# Altium PCB PCB_wordclocksmall_2022-11-05.pcbdoc (part 1 of 5)
Units mm, origin at the board's own origin, x right, y up, seen from the top; angles counter-clockwise.
Board outline 235.71 x 238.24 mm, 2 copper layers (Top Layer, Bottom Layer); 312 components, 226 nets, 1026 pads, 204 vias.
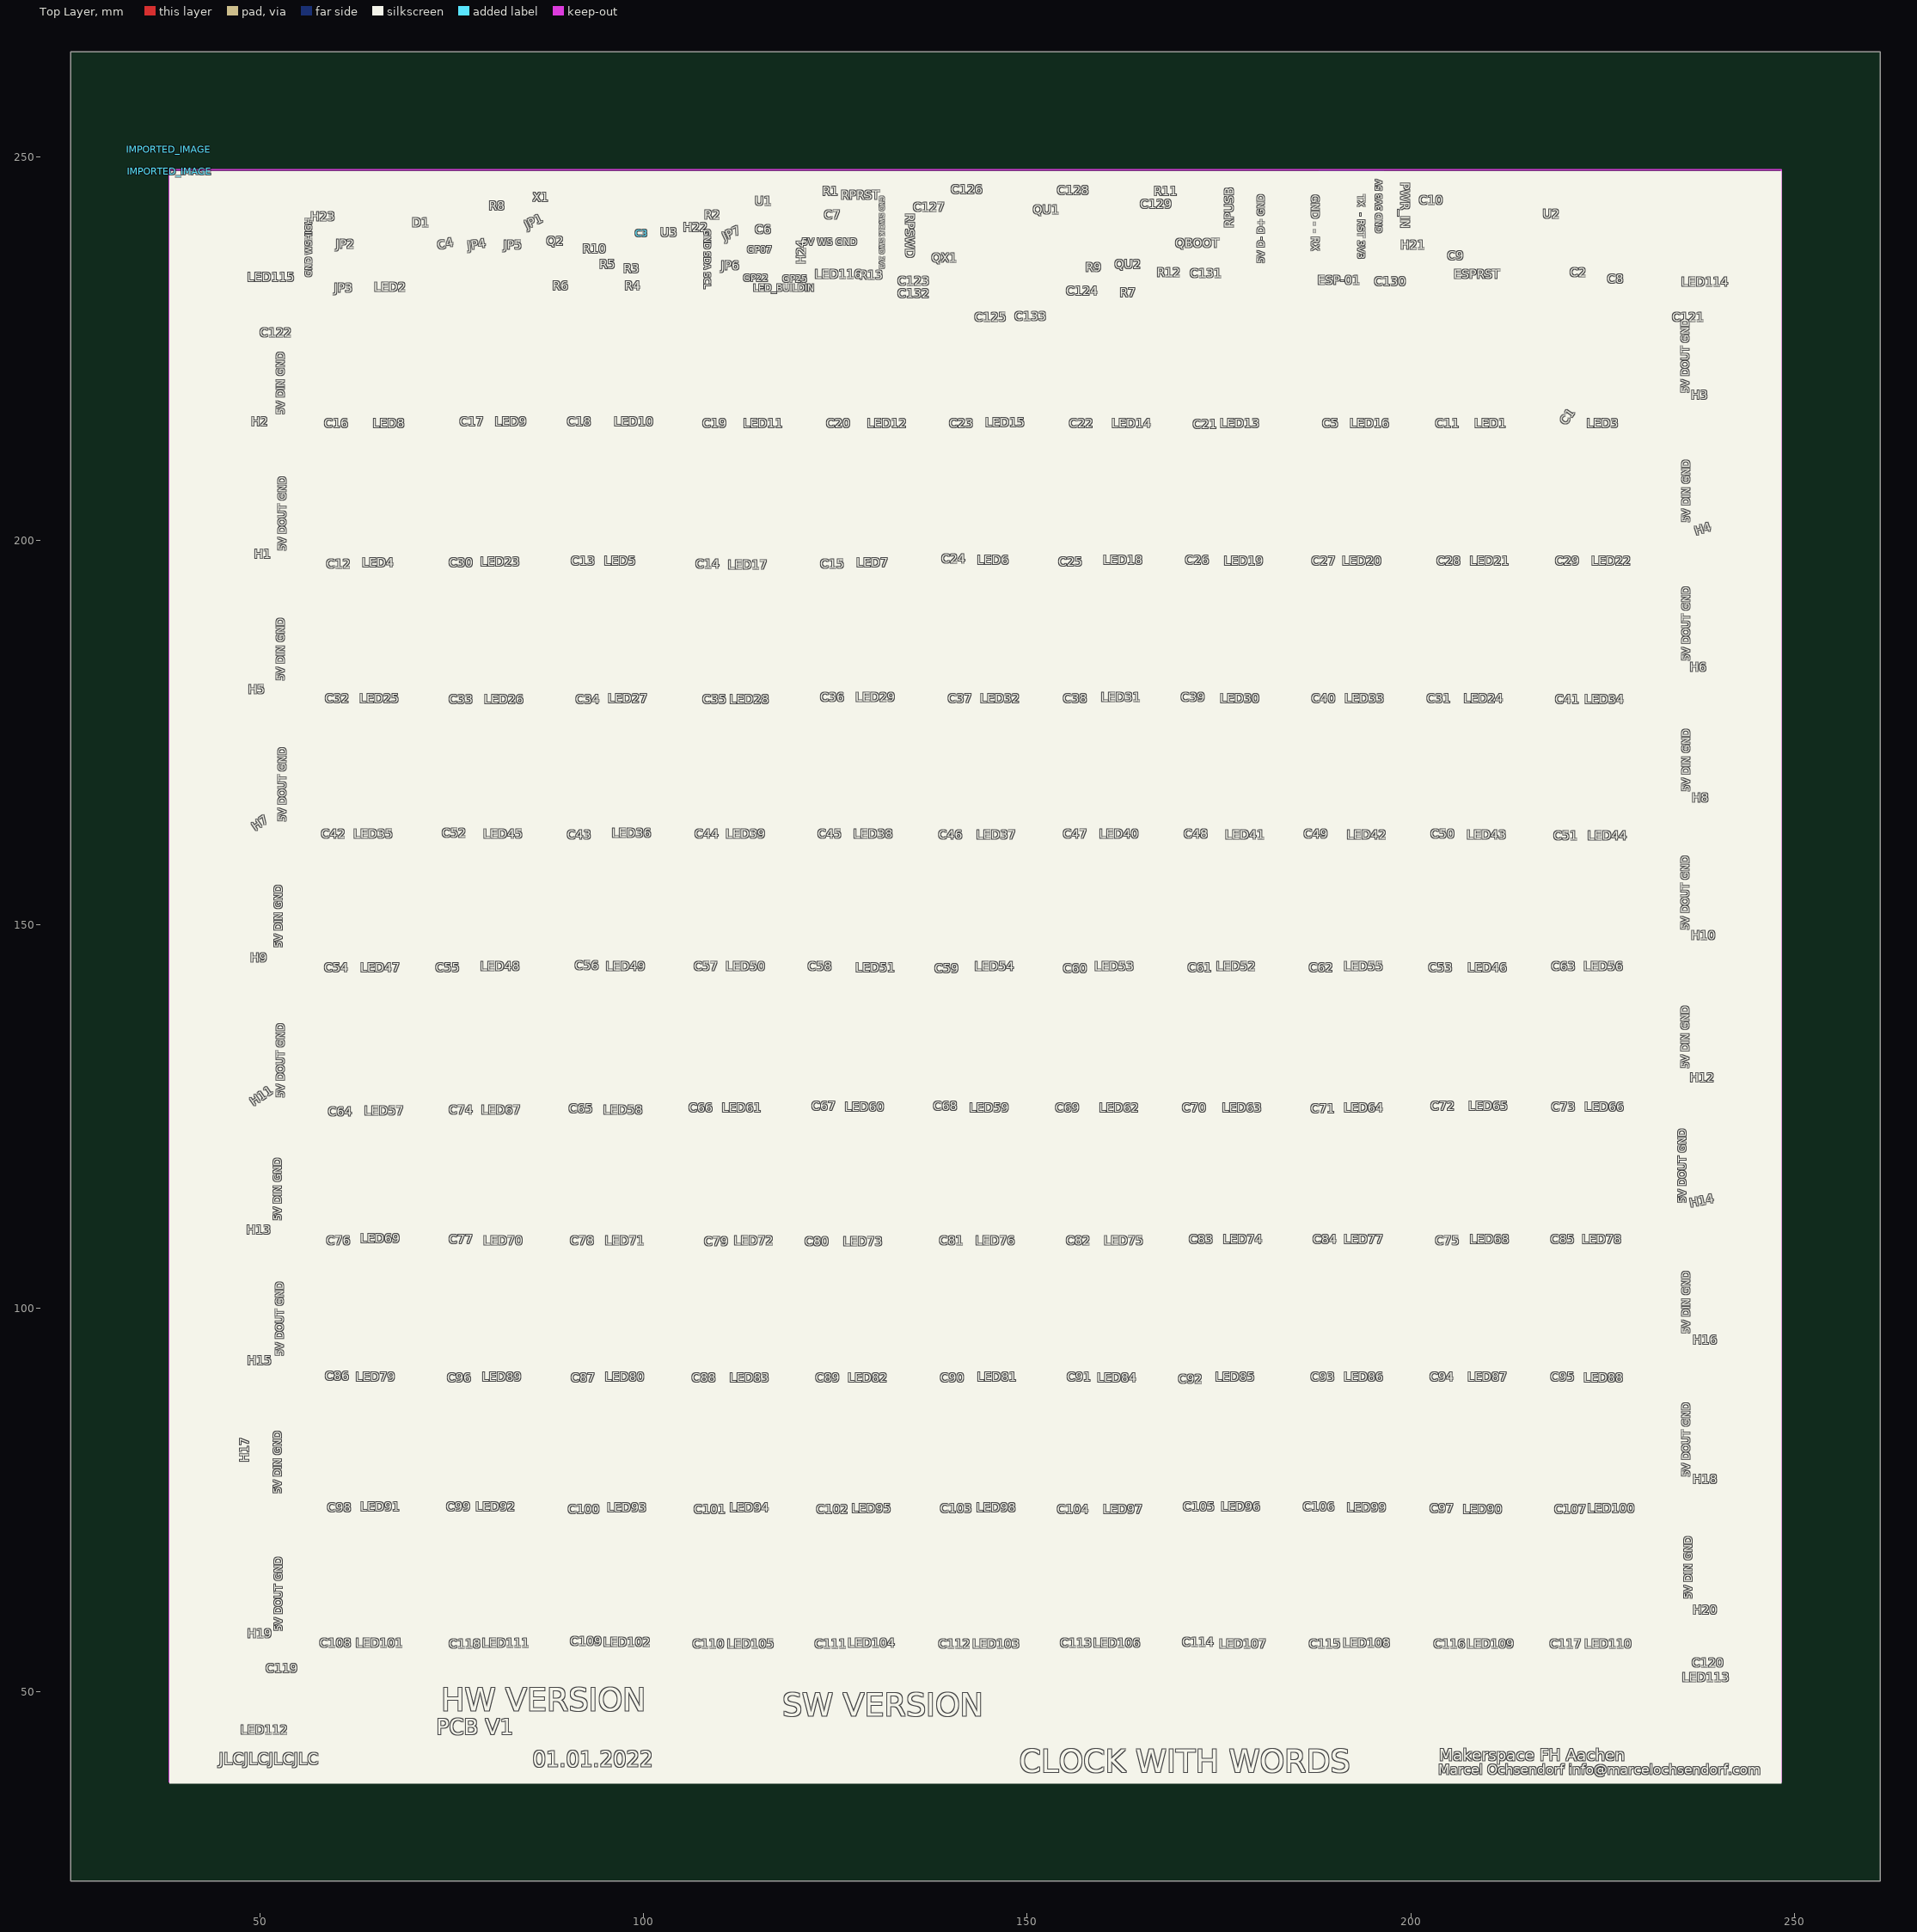
[diagram p0: Top Layer view]
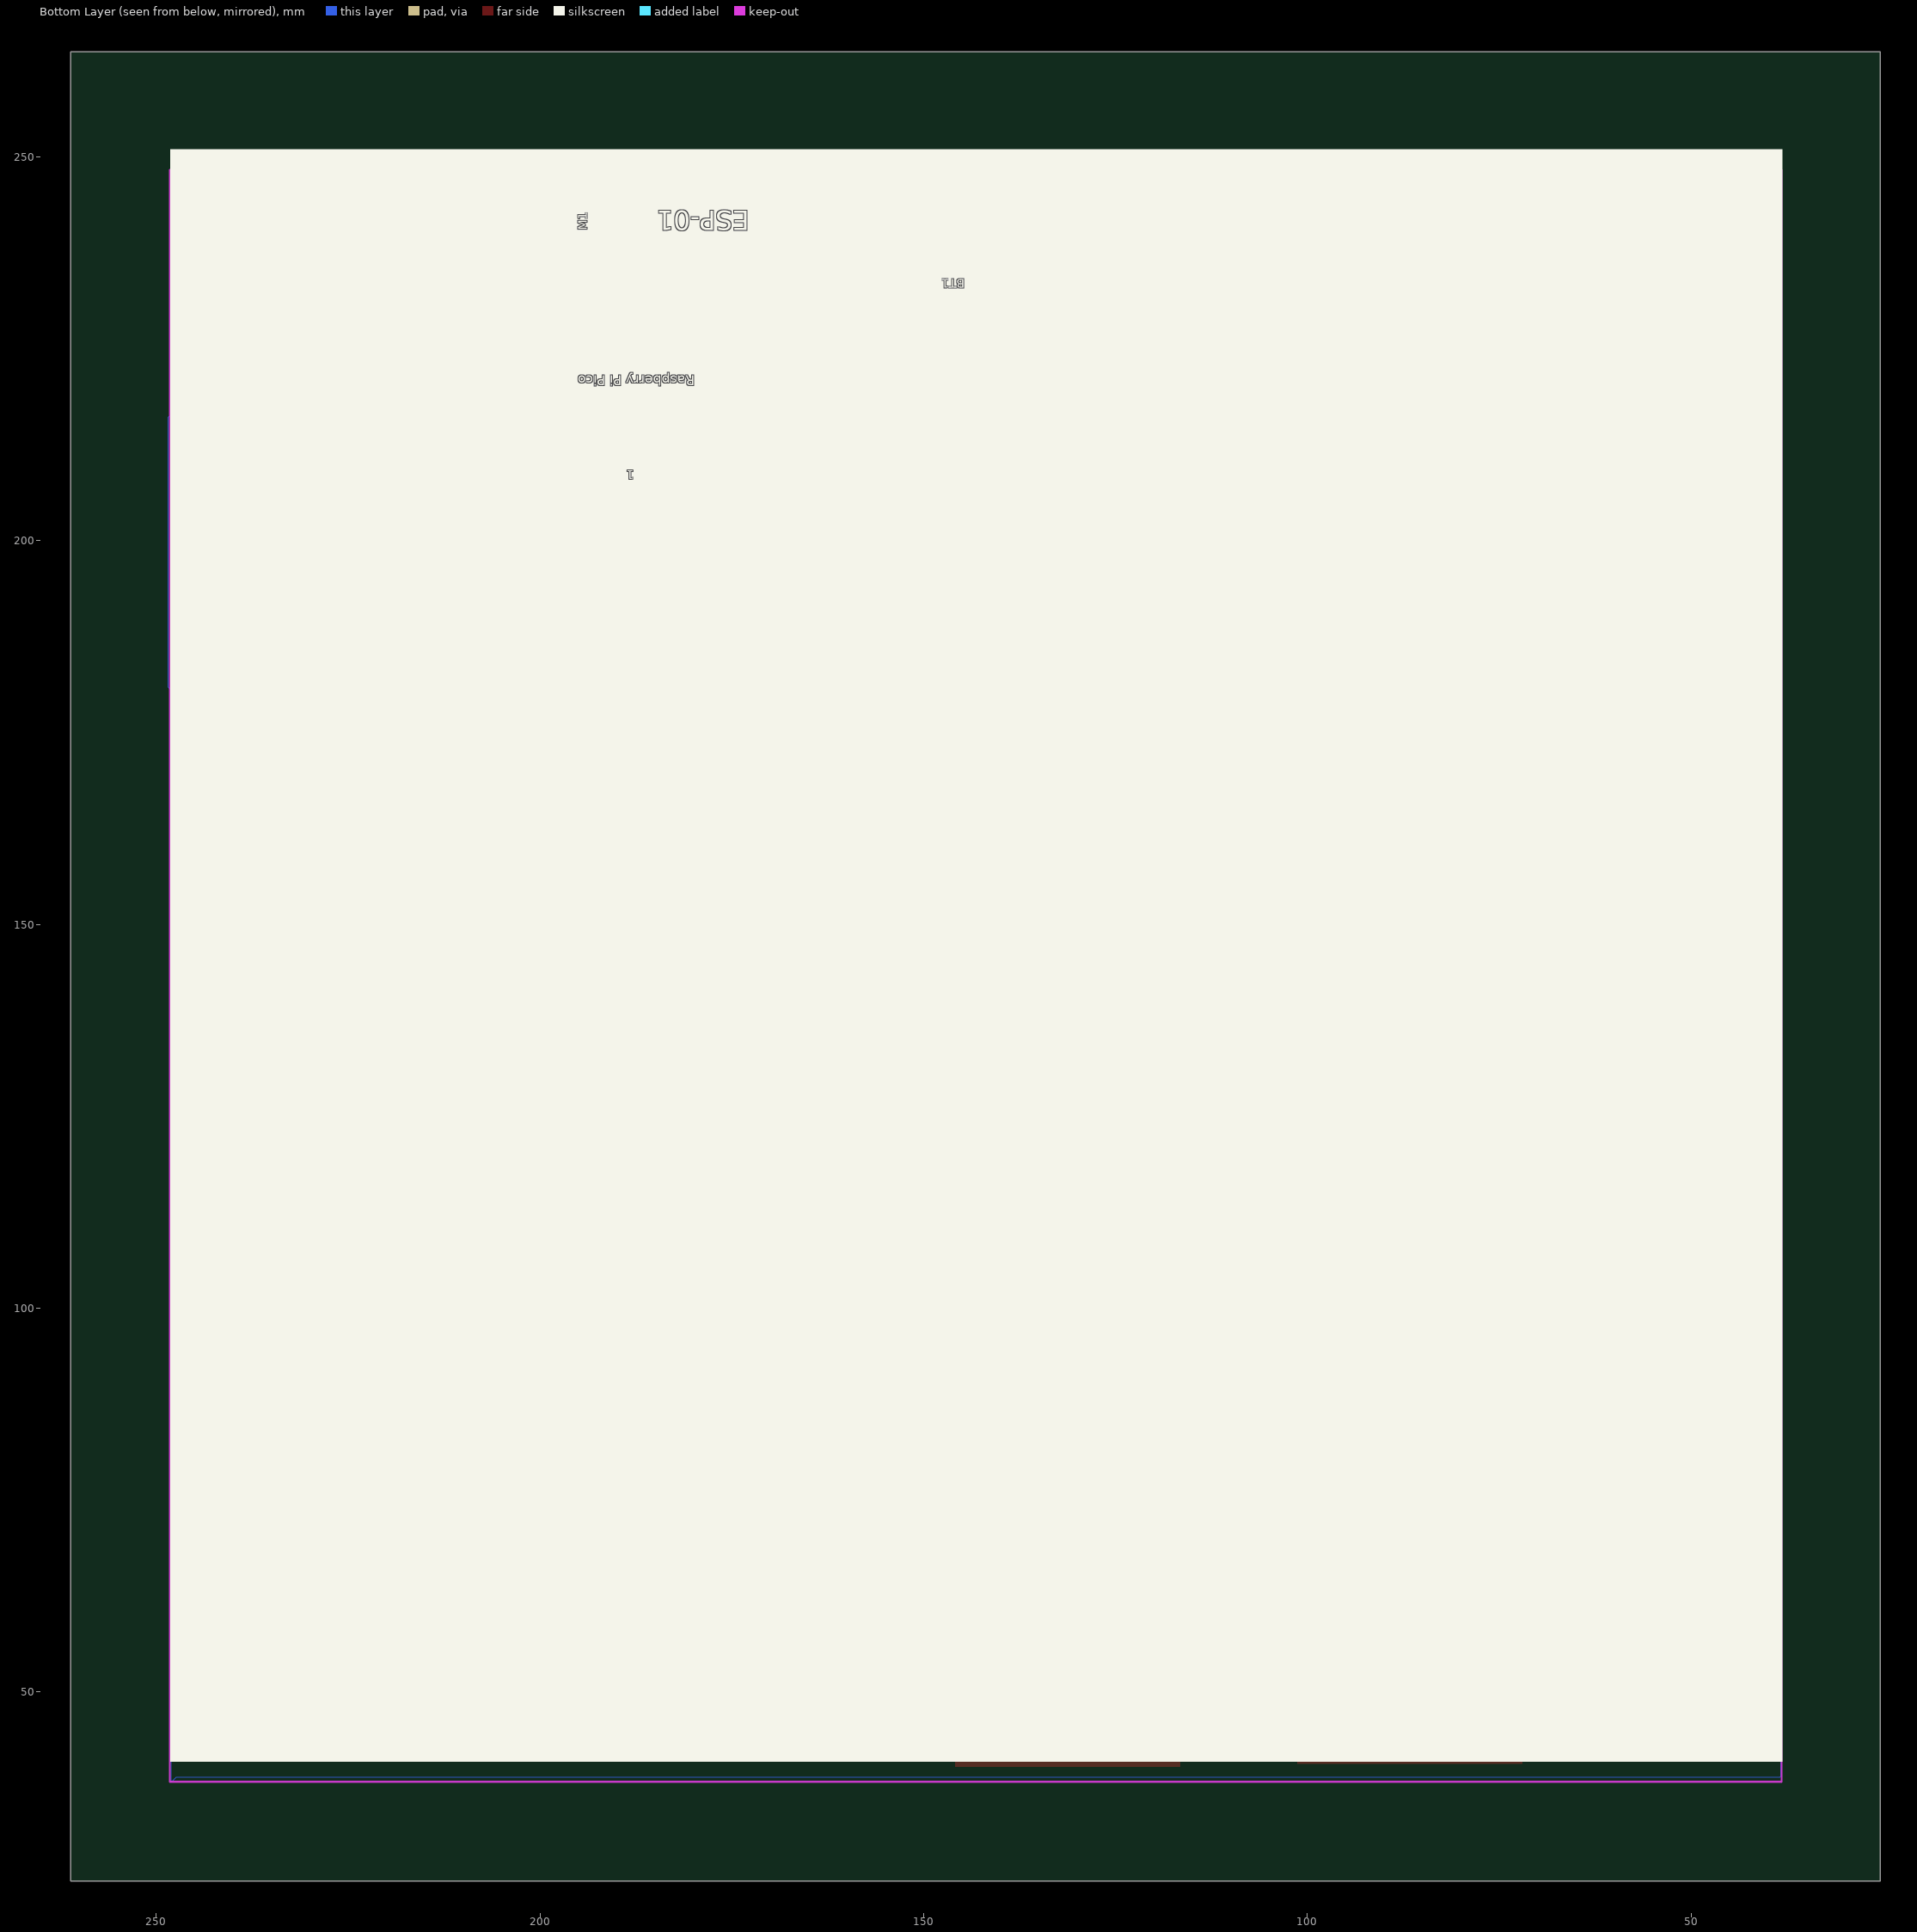
[diagram p1: Bottom Layer view, seen from below]

## Layer stack, top to bottom
Top Layer: signal copper (thickness not stored)
Dielectric: dielectric 0.32, FR-4, Dk 4.8
Bottom Layer: signal copper (thickness not stored)

## Board outline
261.112,25.4 25.4,25.4 25.4,263.638 261.112,263.638

## Components (designator, comment, footprint, x,y, rotation, side; value= is the part's Value field where it differs from the comment)
1 "RASPBERRYPI-PICO" RASPBERRYPIPICO 164.592,229.123 r180 bottom
BT1 "BS-6-1" BAT-SMD_BS-6-1 132.842,240.172 r0 bottom
C1 "100nF" 0805 223.52,218.709 r180 top
C2 "100nF" 0805 221.742,238.394 r270 top
C3 "100nF" 0805 99.822,240.045 r180 top
C4 "100nF" 0805 73.914,236.235 r270 top
C5 "100nF" 0805 192.278,218.455 r180 top
C6 "100nF" 0805 116.459,242.966 r0 top
C7 "100nF" 0805 121.285,242.966 r0 top
C8 "100uF" CAP-SMD_L3.5-W2.8 227.584,238.902 r90 top
C9 "100uF" CAP-SMD_L3.5-W2.8 206.375,241.569 r270 top
C10 "100nF" 0805 202.057,242.331 r90 top
C11 "100nF" 0805 207.264,218.582 r180 top
C12 "100nF" 0805 62.611,200.294 r180 top
C13 "100nF" 0805 94.742,200.294 r180 top
C14 "100nF" 0805 111.379,200.294 r180 top
C15 "100nF" 0805 127.127,200.421 r180 top
C16 "100nF" 0805 62.357,217.82 r180 top
C17 "100nF" 0805 78.867,218.201 r180 top
C18 "100nF" 0805 94.234,218.328 r180 top
C19 "100nF" 0805 111.252,218.582 r180 top
C20 "100nF" 0805 127.635,218.455 r180 top
C21 "100nF" 0805 175.26,218.328 r180 top
C22 "100nF" 0805 159.258,218.328 r180 top
C23 "100nF" 0805 143.002,218.455 r180 top
C24 "100nF" 0805 143.129,200.421 r180 top
C25 "100nF" 0805 159.131,200.294 r180 top
C26 "100nF" 0805 175.641,200.421 r180 top
C27 "100nF" 0805 191.516,200.421 r180 top
C28 "100nF" 0805 207.264,200.294 r180 top
C29 "100nF" 0805 223.647,200.04 r180 top
C30 "100nF" 0805 78.613,200.294 r180 top
C31 "100nF" 0805 207.518,182.387 r180 top
C32 "100nF" 0805 62.738,182.895 r180 top
C33 "100nF" 0805 78.613,182.895 r180 top
C34 "100nF" 0805 95.123,182.768 r180 top
C35 "100nF" 0805 110.363,182.768 r180 top
C36 "100nF" 0805 127.254,182.895 r180 top
C37 "100nF" 0805 143.129,182.641 r180 top
C38 "100nF" 0805 159.131,182.641 r180 top
C39 "100nF" 0805 174.752,182.641 r180 top
C40 "100nF" 0805 191.897,182.641 r180 top
C41 "100nF" 0805 223.52,182.387 r180 top
C42 "100nF" 0805 62.611,164.734 r180 top
C43 "100nF" 0805 95.123,164.734 r180 top
C44 "100nF" 0805 110.109,164.861 r180 top
C45 "100nF" 0805 127.254,165.115 r180 top
C46 "100nF" 0805 143.129,165.242 r180 top
C47 "100nF" 0805 159.004,165.115 r180 top
C48 "100nF" 0805 174.879,165.115 r180 top
C49 "100nF" 0805 191.897,165.242 r180 top
C50 "100nF" 0805 207.518,165.369 r180 top
C51 "100nF" 0805 223.139,165.242 r180 top
C52 "100nF" 0805 78.613,164.861 r180 top
C53 "100nF" 0805 207.518,147.716 r180 top
C54 "100nF" 0805 62.992,147.716 r180 top
C55 "100nF" 0805 78.74,147.462 r180 top
C56 "100nF" 0805 94.996,147.462 r180 top
C57 "100nF" 0805 110.363,147.462 r180 top
C58 "100nF" 0805 127.127,147.335 r180 top
C59 "100nF" 0805 143.129,147.589 r180 top
C60 "100nF" 0805 159.131,147.843 r180 top
C61 "100nF" 0805 175.26,147.97 r180 top
C62 "100nF" 0805 191.643,147.716 r180 top
C63 "100nF" 0805 223.266,147.589 r180 top
C64 "100nF" 0805 62.865,128.412 r180 top
C65 "100nF" 0805 95.123,128.539 r180 top
C66 "100nF" 0805 110.617,128.793 r180 top
C67 "100nF" 0805 127.254,129.047 r180 top
C68 "100nF" 0805 143.256,129.047 r180 top
C69 "100nF" 0805 158.877,129.047 r180 top
C70 "100nF" 0805 175.514,129.174 r180 top
C71 "100nF" 0805 191.77,129.301 r180 top
C72 "100nF" 0805 207.01,129.301 r180 top
C73 "100nF" 0805 223.393,129.301 r180 top
C74 "100nF" 0805 78.613,128.539 r180 top
C75 "100nF" 0805 206.883,112.41 r180 top
C76 "100nF" 0805 62.992,112.283 r180 top
C77 "100nF" 0805 78.486,112.283 r180 top
C78 "100nF" 0805 94.996,112.283 r180 top
C79 "100nF" 0805 110.744,112.537 r180 top
C80 "100nF" 0805 127.127,112.41 r180 top
C81 "100nF" 0805 143.383,112.283 r180 top
C82 "100nF" 0805 158.75,112.41 r180 top
C83 "100nF" 0805 175.133,112.283 r180 top
C84 "100nF" 0805 191.643,112.664 r180 top
C85 "100nF" 0805 223.52,112.537 r180 top
C86 "100nF" 0805 62.992,95.138 r180 top
C87 "100nF" 0805 94.742,95.138 r180 top
C88 "100nF" 0805 110.617,95.265 r180 top
C89 "100nF" 0805 127,95.265 r180 top
C90 "100nF" 0805 143.383,95.265 r180 top
C91 "100nF" 0805 158.877,95.138 r180 top
C92 "100nF" 0805 175.133,94.884 r180 top
C93 "100nF" 0805 191.643,94.503 r180 top
C94 "100nF" 0805 207.01,94.63 r180 top
C95 "100nF" 0805 223.901,94.503 r180 top
C96 "100nF" 0805 78.232,95.265 r180 top
C97 "100nF" 0805 207.01,76.977 r180 top
C98 "100nF" 0805 62.992,77.358 r180 top
C99 "100nF" 0805 77.978,77.485 r180 top
C100 "100nF" 0805 94.615,77.358 r180 top
C101 "100nF" 0805 110.49,77.485 r180 top
C102 "100nF" 0805 127,77.358 r180 top
C103 "100nF" 0805 143.256,77.358 r180 top
C104 "100nF" 0805 158.623,77.104 r180 top
C105 "100nF" 0805 175.387,77.104 r180 top
C106 "100nF" 0805 191.77,77.104 r180 top
C107 "100nF" 0805 223.901,76.977 r180 top
C108 "100nF" 0805 62.865,59.451 r180 top
C109 "100nF" 0805 94.488,59.578 r180 top
C110 "100nF" 0805 110.49,59.705 r180 top
C111 "100nF" 0805 127.254,59.451 r180 top
C112 "100nF" 0805 143.256,59.451 r180 top
C113 "100nF" 0805 158.877,59.451 r180 top
C114 "100nF" 0805 175.514,59.578 r180 top
C115 "100nF" 0805 191.516,59.451 r180 top
C116 "100nF" 0805 207.264,59.705 r180 top
C117 "100nF" 0805 223.774,59.832 r180 top
C118 "100nF" 0805 78.105,59.578 r180 top
C119 "100nF" 0805 49.53,55.006 r90 top
C120 "100nF" 0805 237.617,57.165 r270 top
C121 "100nF" 0805 235.712,231.536 r0 top
C122 "100nF" 0805 51.181,230.52 r90 top
C123 "100nF" 0805 138.811,235.346 r180 top
C124 "100nF" 0805 153.797,234.457 r270 top
C125 "100nF" 0805 145.034,233.822 r0 top
C126 "100nF" 0805 145.796,246.141 r0 top
C127 "100nF" 0805 140.843,244.49 r0 top
C128 "100nF" 0805 151.765,246.395 r180 top
C129 "100nF" 0805 166.624,241.823 r270 top
C130 "100nF" 0805 197.231,237.251 r90 top
C131 "100nF" 0805 172.466,237.251 r0 top
C132 "100nF" 0805 138.811,232.933 r0 top
C133 "100nF" 0805 150.114,233.822 r180 top
D1 "CD4148WP" D1206-RD 66.929,242.204 r0 top
ESPRST "PTS810SJM250SMTRLFS" KEY-SMD_4P-L4.2-W3.2-P2.20-LS4.6 202.565,235.346 r0 top
H1 "Header-Male-2.54_1x3" HDR-TH_3P-P2.54-V-M-1 50.038,203.596 r90 top
H2 "Header-Male-2.54_1x3" HDR-TH_3P-P2.54-V-M-1 49.911,220.741 r90 top
H3 "Header-Male-2.54_1x3" HDR-TH_3P-P2.54-V-M-1 237.49,224.297 r90 top
H4 "Header-Male-2.54_1x3" HDR-TH_3P-P2.54-V-M-1 237.744,206.517 r90 top
H5 "Header-Male-2.54_1x3" HDR-TH_3P-P2.54-V-M-1 49.53,185.816 r90 top
H6 "Header-Male-2.54_1x3" HDR-TH_3P-P2.54-V-M-1 237.49,188.737 r90 top
H7 "Header-Male-2.54_1x3" HDR-TH_3P-P2.54-V-M-1 50.038,168.036 r90 top
H8 "Header-Male-2.54_1x3" HDR-TH_3P-P2.54-V-M-1 237.617,171.719 r90 top
H9 "Header-Male-2.54_1x3" HDR-TH_3P-P2.54-V-M-1 49.784,150.891 r90 top
H10 "Header-Male-2.54_1x3" HDR-TH_3P-P2.54-V-M-1 237.617,153.812 r90 top
H11 "Header-Male-2.54_1x3" HDR-TH_3P-P2.54-V-M-1 49.911,132.222 r90 top
H12 "Header-Male-2.54_1x3" HDR-TH_3P-P2.54-V-M-1 237.617,135.397 r90 top
H13 "Header-Male-2.54_1x3" HDR-TH_3P-P2.54-V-M-1 49.403,115.585 r90 top
H14 "Header-Male-2.54_1x3" HDR-TH_3P-P2.54-V-M-1 237.617,118.887 r90 top
H15 "Header-Male-2.54_1x3" HDR-TH_3P-P2.54-V-M-1 49.657,98.44 r90 top
H16 "Header-Male-2.54_1x3" HDR-TH_3P-P2.54-V-M-1 237.744,100.98 r90 top
H17 "Header-Male-2.54_1x3" HDR-TH_3P-P2.54-V-M-1 49.53,80.152 r90 top
H18 "Header-Male-2.54_1x3" HDR-TH_3P-P2.54-V-M-1 237.744,82.946 r90 top
H19 "Header-Male-2.54_1x3" HDR-TH_3P-P2.54-V-M-1 49.53,63.007 r90 top
H20 "Header-Male-2.54_1x3" HDR-TH_3P-P2.54-V-M-1 237.871,65.928 r90 top
H21 "Header-Male-2.54_1x3" HDR-TH_3P-P2.54-V-M-1 197.485,243.728 r270 top
H22 "Header-Male-2.54_1x3" HDR-TH_3P-P2.54-V-M-1 106.68,236.87 r270 top
H23 "Header-Male-2.54_1x3" HDR-TH_3P-P2.54-V-M-1 58.039,238.14 r270 top
H24 "Header-Male-2.54_1x3" HDR-TH_3P-P2.54-V-M-1 124.46,237.378 r0 top
IMPORTED_IMAGE "IMPORTED_IMAGE" IMPORTED_IMAGE 38.158,250.938 r0 top
IMPORTED_IMAGE "IMPORTED_IMAGE" IMPORTED_IMAGE 38.245,248.1 r0 top
JP1 "JUMPER-SMT_2" JUMPERS_SMT-JUMPER_2_NC_PASTE_NO-SILK 88.265,242.077 r180 top
JP2 "JUMPER-SMT_2" JUMPERS_SMT-JUMPER_2_NC_PASTE_NO-SILK 61.468,241.188 r90 top
JP3 "JUMPER-SMT_2" JUMPERS_SMT-JUMPER_2_NC_PASTE_NO-SILK 61.087,235.473 r0 top
JP4 "JUMPER-SMT_2" JUMPERS_SMT-JUMPER_2_NC_PASTE_NO-SILK 78.359,237.251 r180 top
JP5 "JUMPER-SMT_2" JUMPERS_SMT-JUMPER_2_NC_PASTE_NO-SILK 83.058,237.251 r180 top
JP6 "JUMPER-SMT_2" JUMPERS_SMT-JUMPER_2_NC_PASTE_NO-SILK 111.506,234.584 r180 top
JP7 "JUMPER-SMT_2" JUMPERS_SMT-JUMPER_2_NC_PASTE_NO-SILK 111.633,238.267 r180 top
LED1 "WS2812B-B" LED-5050_4P 207.518,223.027 r0 top
LED2 "WS2812B-B" LED-5050_4P 67.437,236.997 r180 top
LED3 "WS2812B-B" LED-5050_4P 223.647,223.027 r0 top
LED4 "WS2812B-B" LED-5050_4P 62.738,205.12 r0 top
LED5 "WS2812B-B" LED-5050_4P 94.869,204.866 r0 top
LED6 "WS2812B-B" LED-5050_4P 143.383,205.12 r0 top
LED7 "WS2812B-B" LED-5050_4P 127.254,204.866 r0 top
LED8 "WS2812B-B" LED-5050_4P 62.484,222.392 r0 top
LED9 "WS2812B-B" LED-5050_4P 78.613,222.646 r0 top
LED10 "WS2812B-B" LED-5050_4P 94.488,222.773 r0 top
LED11 "WS2812B-B" LED-5050_4P 111.379,222.9 r0 top
LED12 "WS2812B-B" LED-5050_4P 127.635,222.773 r0 top
LED13 "WS2812B-B" LED-5050_4P 175.26,223.154 r0 top
LED14 "WS2812B-B" LED-5050_4P 159.385,222.9 r0 top
LED15 "WS2812B-B" LED-5050_4P 143.129,222.773 r0 top
LED16 "WS2812B-B" LED-5050_4P 192.532,223.027 r0 top
LED17 "WS2812B-B" LED-5050_4P 111.379,204.993 r0 top
LED18 "WS2812B-B" LED-5050_4P 159.385,205.12 r0 top
LED19 "WS2812B-B" LED-5050_4P 175.641,205.12 r0 top
LED20 "WS2812B-B" LED-5050_4P 191.516,205.12 r0 top
LED21 "WS2812B-B" LED-5050_4P 207.391,205.12 r0 top
LED22 "WS2812B-B" LED-5050_4P 223.774,204.993 r0 top
LED23 "WS2812B-B" LED-5050_4P 78.613,205.12 r0 top
LED24 "WS2812B-B" LED-5050_4P 207.518,187.086 r0 top
LED25 "WS2812B-B" LED-5050_4P 62.738,187.213 r0 top
LED26 "WS2812B-B" LED-5050_4P 78.74,187.086 r0 top
LED27 "WS2812B-B" LED-5050_4P 95.25,187.34 r0 top
LED28 "WS2812B-B" LED-5050_4P 110.49,187.34 r0 top
LED29 "WS2812B-B" LED-5050_4P 127.254,187.34 r0 top
LED30 "WS2812B-B" LED-5050_4P 174.752,187.213 r0 top
LED31 "WS2812B-B" LED-5050_4P 159.131,187.213 r0 top
LED32 "WS2812B-B" LED-5050_4P 143.256,187.213 r0 top
LED33 "WS2812B-B" LED-5050_4P 191.897,186.959 r0 top
LED34 "WS2812B-B" LED-5050_4P 223.52,187.213 r0 top
LED35 "WS2812B-B" LED-5050_4P 62.865,169.433 r0 top
LED36 "WS2812B-B" LED-5050_4P 95.123,169.306 r0 top
LED37 "WS2812B-B" LED-5050_4P 143.256,169.56 r0 top
LED38 "WS2812B-B" LED-5050_4P 127.254,169.56 r0 top
LED39 "WS2812B-B" LED-5050_4P 110.617,169.433 r0 top
LED40 "WS2812B-B" LED-5050_4P 159.004,169.56 r0 top
LED41 "WS2812B-B" LED-5050_4P 175.133,169.687 r0 top
LED42 "WS2812B-B" LED-5050_4P 191.77,169.941 r0 top
LED43 "WS2812B-B" LED-5050_4P 207.391,169.941 r0 top
LED44 "WS2812B-B" LED-5050_4P 223.647,170.068 r0 top
LED45 "WS2812B-B" LED-5050_4P 78.74,169.306 r0 top
LED46 "WS2812B-B" LED-5050_4P 207.391,152.415 r0 top
LED47 "WS2812B-B" LED-5050_4P 63.246,152.415 r0 top
LED48 "WS2812B-B" LED-5050_4P 78.74,152.415 r0 top
LED49 "WS2812B-B" LED-5050_4P 94.869,152.415 r0 top
LED50 "WS2812B-B" LED-5050_4P 110.744,152.415 r0 top
LED51 "WS2812B-B" LED-5050_4P 127.254,152.542 r0 top
LED52 "WS2812B-B" LED-5050_4P 175.387,152.669 r0 top
LED53 "WS2812B-B" LED-5050_4P 158.877,152.415 r0 top
LED54 "WS2812B-B" LED-5050_4P 143.256,152.542 r0 top
LED55 "WS2812B-B" LED-5050_4P 191.77,152.542 r0 top
LED56 "WS2812B-B" LED-5050_4P 223.647,152.415 r0 top
LED57 "WS2812B-B" LED-5050_4P 63.119,133.746 r0 top
LED58 "WS2812B-B" LED-5050_4P 94.869,133.619 r0 top
LED59 "WS2812B-B" LED-5050_4P 143.383,133.873 r0 top
LED60 "WS2812B-B" LED-5050_4P 127.254,133.746 r0 top
LED61 "WS2812B-B" LED-5050_4P 110.617,133.492 r0 top
LED62 "WS2812B-B" LED-5050_4P 158.877,133.873 r0 top
LED63 "WS2812B-B" LED-5050_4P 175.26,134 r0 top
LED64 "WS2812B-B" LED-5050_4P 191.897,133.873 r0 top
LED65 "WS2812B-B" LED-5050_4P 207.391,133.873 r0 top
LED66 "WS2812B-B" LED-5050_4P 223.647,133.873 r0 top
LED67 "WS2812B-B" LED-5050_4P 78.613,133.619 r0 top
LED68 "WS2812B-B" LED-5050_4P 207.264,117.363 r0 top
LED69 "WS2812B-B" LED-5050_4P 63.246,116.855 r0 top
LED70 "WS2812B-B" LED-5050_4P 78.359,116.855 r0 top
LED71 "WS2812B-B" LED-5050_4P 94.742,117.109 r0 top
LED72 "WS2812B-B" LED-5050_4P 110.744,117.236 r0 top
LED73 "WS2812B-B" LED-5050_4P 127,117.236 r0 top
LED74 "WS2812B-B" LED-5050_4P 175.133,117.236 r0 top
LED75 "WS2812B-B" LED-5050_4P 158.877,117.109 r0 top
LED76 "WS2812B-B" LED-5050_4P 143.383,117.109 r0 top
LED77 "WS2812B-B" LED-5050_4P 191.77,117.363 r0 top
LED78 "WS2812B-B" LED-5050_4P 223.774,117.363 r0 top
LED79 "WS2812B-B" LED-5050_4P 63.246,99.964 r0 top
LED80 "WS2812B-B" LED-5050_4P 94.742,99.837 r0 top
LED81 "WS2812B-B" LED-5050_4P 143.51,99.837 r0 top
LED82 "WS2812B-B" LED-5050_4P 127,99.837 r0 top
LED83 "WS2812B-B" LED-5050_4P 110.744,99.837 r0 top
LED84 "WS2812B-B" LED-5050_4P 158.877,99.964 r0 top
LED85 "WS2812B-B" LED-5050_4P 175.133,99.71 r0 top
LED86 "WS2812B-B" LED-5050_4P 191.77,99.583 r0 top
LED87 "WS2812B-B" LED-5050_4P 207.137,99.583 r0 top
LED88 "WS2812B-B" LED-5050_4P 223.901,99.329 r0 top
LED89 "WS2812B-B" LED-5050_4P 78.232,99.964 r0 top
LED90 "WS2812B-B" LED-5050_4P 207.264,81.676 r0 top
LED91 "WS2812B-B" LED-5050_4P 63.246,81.676 r0 top
LED92 "WS2812B-B" LED-5050_4P 77.978,81.676 r0 top
LED93 "WS2812B-B" LED-5050_4P 94.615,81.803 r0 top
LED94 "WS2812B-B" LED-5050_4P 110.744,81.93 r0 top
LED95 "WS2812B-B" LED-5050_4P 127,81.803 r0 top
LED96 "WS2812B-B" LED-5050_4P 175.26,82.057 r0 top
LED97 "WS2812B-B" LED-5050_4P 158.75,81.803 r0 top
LED98 "WS2812B-B" LED-5050_4P 143.51,81.93 r0 top
LED99 "WS2812B-B" LED-5050_4P 191.77,81.803 r0 top
LED100 "WS2812B-B" LED-5050_4P 223.901,81.422 r0 top
LED101 "WS2812B-B" LED-5050_4P 63.119,64.531 r0 top
LED102 "WS2812B-B" LED-5050_4P 94.742,64.658 r0 top
LED103 "WS2812B-B" LED-5050_4P 143.637,64.277 r0 top
LED104 "WS2812B-B" LED-5050_4P 127.254,64.15 r0 top
LED105 "WS2812B-B" LED-5050_4P 110.871,64.531 r0 top
LED106 "WS2812B-B" LED-5050_4P 158.75,64.15 r0 top
LED107 "WS2812B-B" LED-5050_4P 175.133,64.15 r0 top
LED108 "WS2812B-B" LED-5050_4P 191.77,64.277 r0 top
LED109 "WS2812B-B" LED-5050_4P 207.137,64.15 r0 top
LED110 "WS2812B-B" LED-5050_4P 223.52,64.277 r0 top
LED111 "WS2812B-B" LED-5050_4P 78.105,64.785 r0 top
LED112 "WS2812B-B" LED-5050_4P 50.038,49.291 r0 top
LED113 "WS2812B-B" LED-5050_4P 237.49,48.91 r0 top
LED114 "WS2812B-B" LED-5050_4P 237.744,238.394 r90 top
LED115 "WS2812B-B" LED-5050_4P 50.546,238.394 r180 top
LED116 "FC-2012HRK-620D" LED0805-RD_RED 124.841,233.441 r0 top
M1 "ESP-01" ESP-01 191.135,240.426 r270 bottom
Q2 "LBC817-40LT1G" SOT-23-3_L2.9-W1.3-P1.90-LS2.4-BR 88.392,237.251 r0 top
QBOOT "PTS810SJM250SMTRLFS" KEY-SMD_4P-L4.2-W3.2-P2.20-LS4.6 171.831,241.823 r180 top
QU1 "RP2040" LQFN-56_L7.0-W7.0-P0.4-EP 147.828,240.045 r270 top
QU2 "W25Q128JWPIQ" WSON-8_L6.0-W5.0-P1.27-BL-EP 161.671,241.061 r180 top
QX1 "12MHz" CRYSTAL-SMD_4P-L3.2-W2.5-BL 139.192,240.299 r270 top
R1 "4.7K" R0805 121.285,246.141 r0 top
R2 "1kΩ" R0805 111.887,243.347 r0 top
R3 "4.7K" R0805 101.346,236.362 r0 top
R4 "4.7K" R0805 101.346,234.076 r0 top
R5 "10K" 0805 92.837,235.346 r90 top
R6 "22K" 0805 85.852,234.203 r180 top
R7 "24Ω" R0805 163.703,234.584 r0 top
R8 "1K" 0805 81.788,242.331 r180 top
R9 "24Ω" R0805 159.258,234.584 r0 top
R10 "50" 0805 92.964,241.315 r90 top
R11 "1K" 0805 170.688,245.506 r0 top
R12 "1K" 0805 167.386,237.378 r0 top
R13 "100Ω" R0805 129.794,233.441 r180 top
RPRST "PTS810SJM250SMTRLFS" KEY-SMD_4P-L4.2-W3.2-P2.20-LS4.6 129.159,242.204 r270 top
RPSWD "HDR-M-2.54_1x4" HDR-M-2.54_1X4 133.223,240.172 r90 top
RPUSB "HDR-M-2.54_1x4" HDR-M-2.54_1X4 177.927,240.68 r90 top
U1 "BH1750FVI-TR" WSOF-6_L2.6-W1.6-P0.50-TL-EP 116.078,246.522 r180 top
U2 "AMS1117-3.3" SOT-223_L6.5-W3.5-P2.30-LS7.0-BR 214.63,240.553 r270 top
U3 "DS1307M/TR" SOP-8_L4.9-W3.9-P1.27-LS6.0-BL 101.473,244.363 r270 top
X1 "CFV206-60.003KDZF" OSC-TH_BD2.0-P0.70-D0.3 95.123,245.506 r0 top

## Footprints (in the part's own frame and the unit in brackets; to place one, negate y for a bottom-side part, rotate by r counter-clockwise, add the part's x,y. Pads: shape width x height; smd on the part's side, far side on the other; paste and mask are expansions set on the pad)
0805 [mm]
  rect 1.16x1.45 smd: 1(-1.016,0) 2(1.016,0)
  silkscreen extent -1.9,-1.03 1.87,1.04
BAT-SMD_BS-6-1 [mm]
  rect 3.5x4.2 smd: 1(-14.988,0) 2(14.988,0)
  silkscreen extent -15.01,-8 14.99,8
CAP-SMD_L3.5-W2.8 [mm]
  rect 1.8x2.6 smd: 1(-1.501,0) 2(1.501,0)
  silkscreen extent -3.26,-1.65 2.73,1.65
CRYSTAL-SMD_4P-L3.2-W2.5-BL [mm]
  rect 1.4x1.2 smd: 1(-1.1,-0.85) 2(1.1,-0.85) 3(1.1,0.85) 4(-1.1,0.85)
  silkscreen extent -2.26,-1.91 2.03,1.68
D1206-RD [mm]
  rect 1.785x1.62 smd: 1(-1.343,0) 2(1.342,0)
  silkscreen extent -2.77,-1.08 2.46,1.08
ESP-01 [mil]
  rect 62x62 hole 35: 1(-150,50)
  round 62 hole 35: 2(-150,-50) 3(-50,50) 4(-50,-50) 5(50,50) 6(50,-50) 7(150,50) 8(150,-50)
  silkscreen extent -291,-125 291,859
HDR-M-2.54_1X4 [mil]
  rect 62x62 hole 35: 1(-150,0)
  round 62 hole 35: 2(-50,0) 3(50,0) 4(150,0)
  silkscreen extent -200,-50 200,50
HDR-TH_3P-P2.54-V-M-1 [mm]
  rect 1.575x1.8 hole 1.2: 1(-2.54,0)
  round 1.8 hole 1.2: 2(0,0) 3(2.54,0)
  silkscreen extent -3.81,-1.27 3.81,1.27
IMPORTED_IMAGE [mm]
JUMPERS_SMT-JUMPER_2_NC_PASTE_NO-SILK [mil]
  round 0 smd: 1(-16,0) 2(16,0)
  Top Layer region: -28.5,25 -3.5,25 -3.5,-25 -28.5,-25
  Top Layer region: 3.5,25 28.5,25 28.5,-25 3.5,-25
  silkscreen extent -46,-40 46,40
KEY-SMD_4P-L4.2-W3.2-P2.20-LS4.6 [mm]
  rect 1.05x0.7 smd: 1(-2.1,1.075) 2(2.1,1.075) 3(-2.1,-1.075) 4(2.1,-1.075)
  silkscreen extent -2.2,-1.55 2.2,1.52
LED0805-RD_RED [mm]
  rect 1x1.25 smd: 1(-1.1,0) 2(1.1,0)
  silkscreen extent -2.1,-0.95 1.98,0.96
LED-5050_4P [mm]
  rect 1.5x1 smd: 1(2.5,-1.5) 2(2.5,1.5) 3(-2.5,1.5) 4(-2.5,-1.5)
  silkscreen extent -2.7,-2.5 2.5,2.65
LQFN-56_L7.0-W7.0-P0.4-EP [mm]
  rect 1.1x0.2 smd: 1(-3.55,2.6) 2(-3.55,2.2) 3(-3.55,1.8) 4(-3.55,1.4) 5(-3.55,1) 6(-3.55,0.6) 7(-3.55,0.2) 8(-3.55,-0.2) 9(-3.55,-0.6) 10(-3.55,-1) 11(-3.55,-1.4) 12(-3.55,-1.8) 13(-3.55,-2.2) 14(-3.55,-2.6) 29(3.55,-2.6) 30(3.55,-2.2) 31(3.55,-1.8) 32(3.55,-1.4) 33(3.55,-1) 34(3.55,-0.6) 35(3.55,-0.2) 36(3.55,0.2) 37(3.55,0.6) 38(3.55,1) 39(3.55,1.4) 40(3.55,1.8) 41(3.55,2.2) 42(3.55,2.6)
  rect 0.2x1.1 smd: 15(-2.6,-3.55) 16(-2.2,-3.55) 17(-1.8,-3.55) 18(-1.4,-3.55) 19(-1,-3.55) 20(-0.6,-3.55) 21(-0.2,-3.55) 22(0.2,-3.55) 23(0.6,-3.55) 24(1,-3.55) 25(1.4,-3.55) 26(1.8,-3.55) 27(2.2,-3.55) 28(2.6,-3.55) 43(2.6,3.55) 44(2.2,3.55) 45(1.8,3.55) 46(1.4,3.55) 47(1,3.55) 48(0.6,3.55) 49(0.2,3.55) 50(-0.2,3.55) 51(-0.6,3.55) 52(-1,3.55) 53(-1.4,3.55) 54(-1.8,3.55) 55(-2.2,3.55) 56(-2.6,3.55)
  rect 3.1x3.1 smd: 57(0,0)
  silkscreen extent -4.13,-3.5 3.5,3.83
OSC-TH_BD2.0-P0.70-D0.3 [mm]
  round 0.8 hole 0.5: 1(0,0.5) 2(0,-0.5)
  silkscreen extent -7.6,-1 -0.54,1
R0805 [mm]
  rect 1.133x1.377 smd: 1(-0.966,0) 2(0.966,0)
  silkscreen extent -1.76,-0.92 1.76,0.92